# Altium PCB RockerBox_Rev04.PcbDoc (part 5 of 9)
Units mil, origin at the board's own origin, x right, y up, seen from the top; angles counter-clockwise.
Board outline 5354.33 x 8818.9 mil, 4 copper layers (L1, L2, L3, L4), stack 62.087 mil thick; 582 components, 159 nets, 3630 pads, 4701 vias.
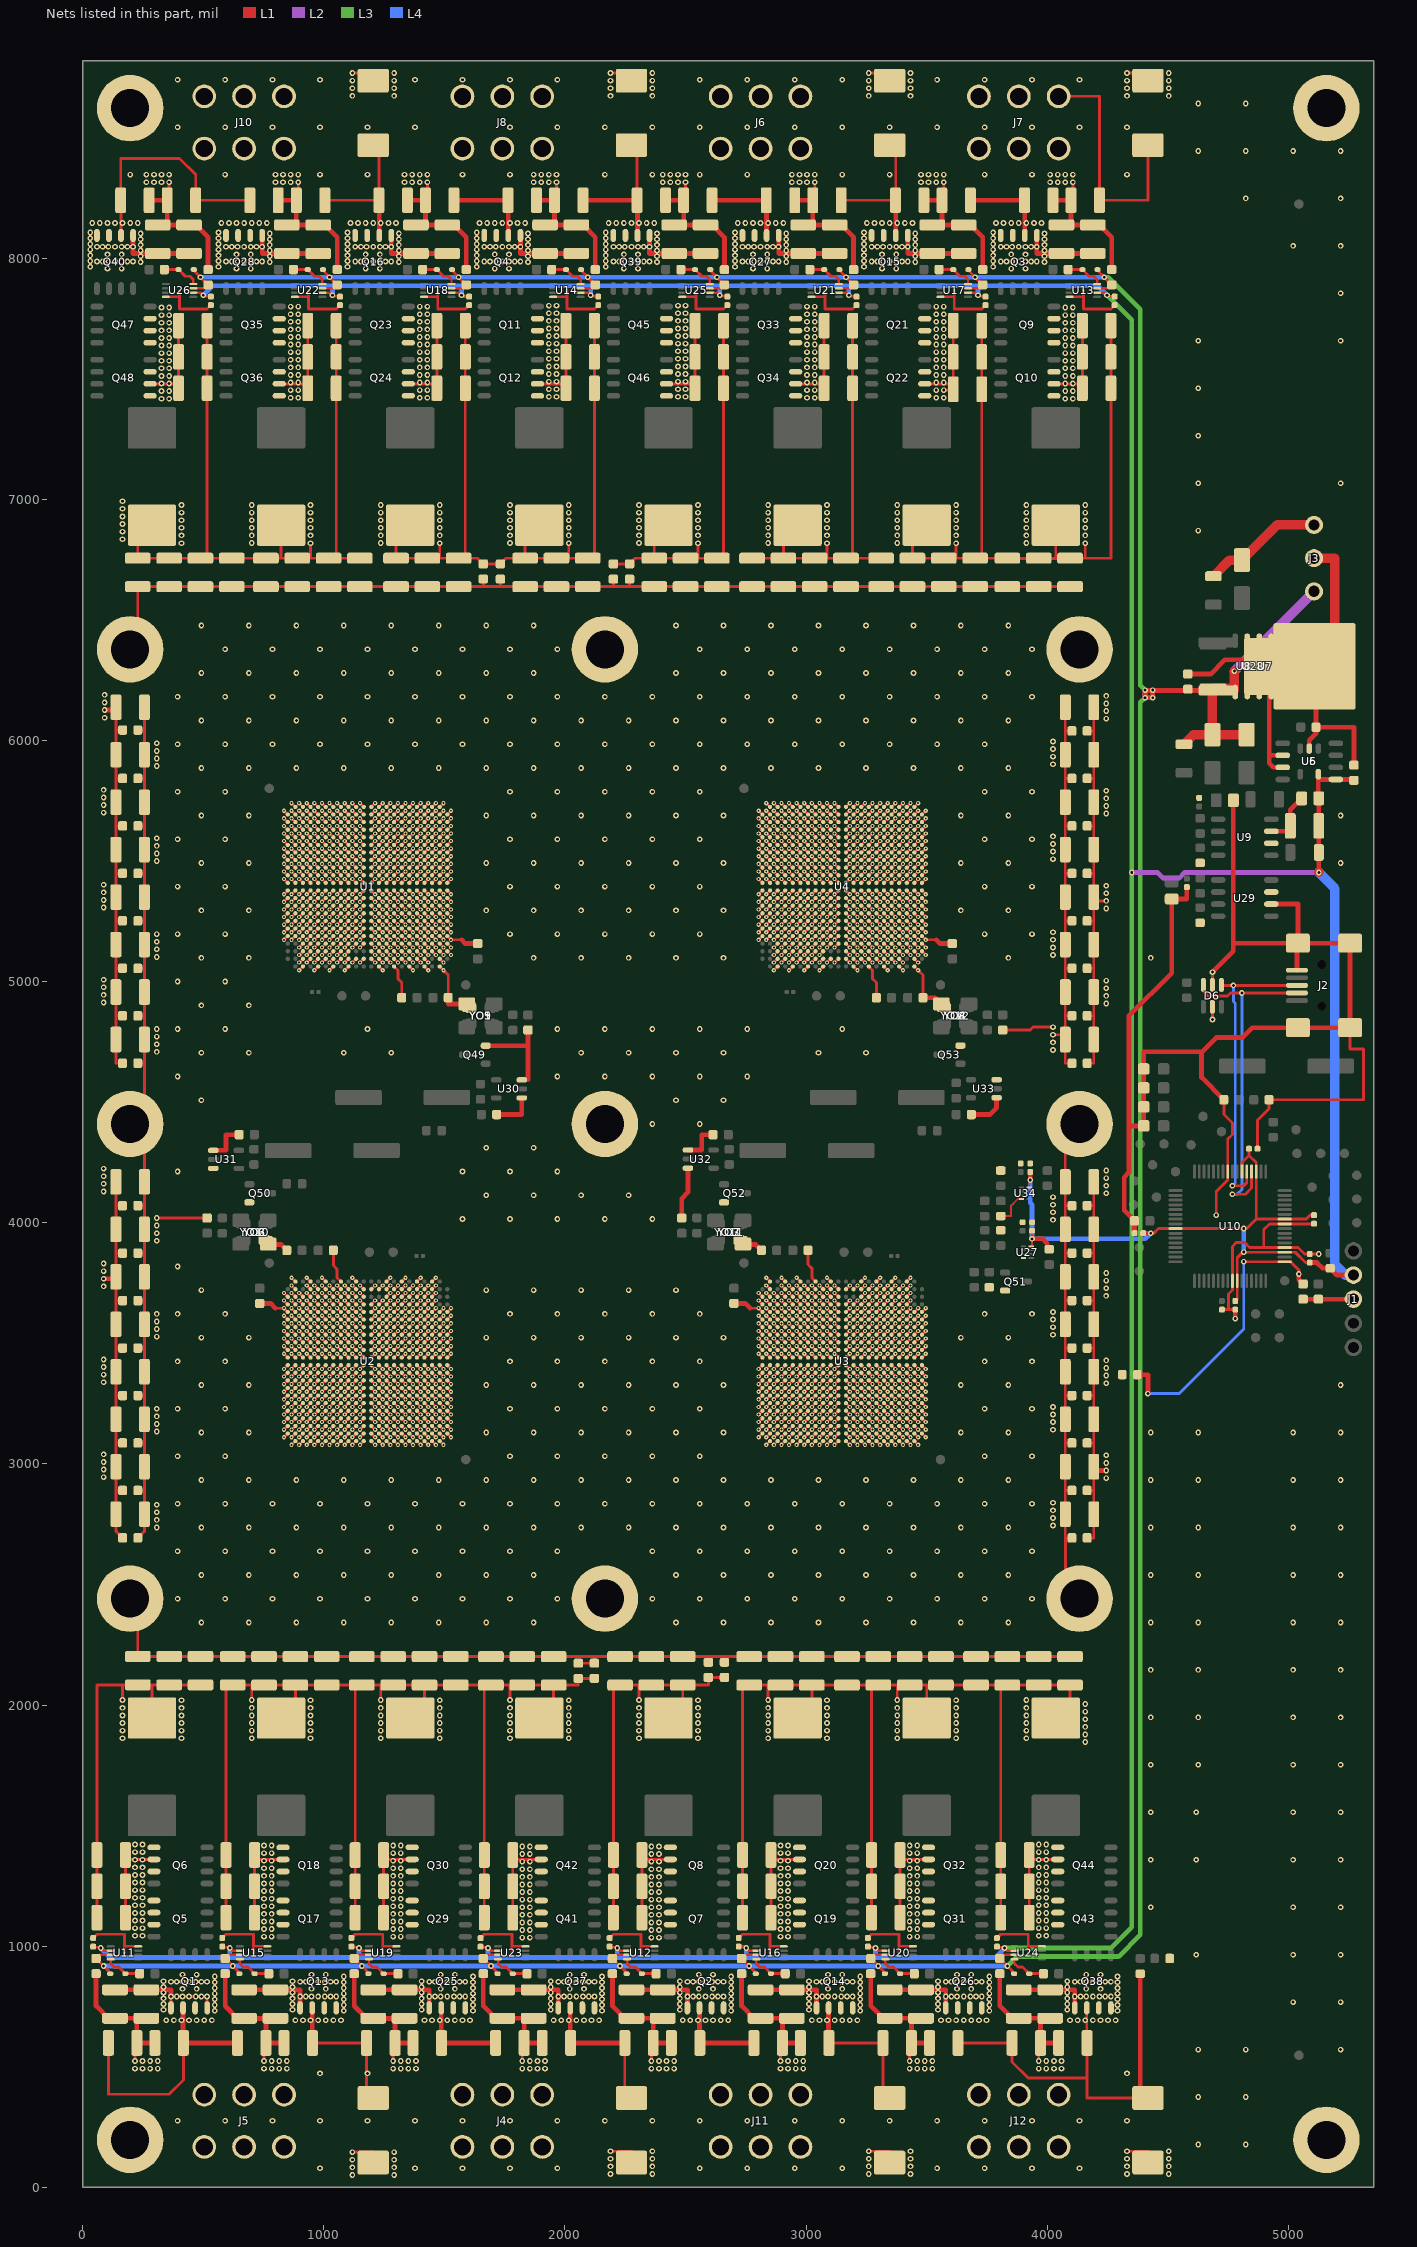
[diagram p7: the nets of this part, all layers, seen from the top]

## Via types
v1: diameter 23.62/23.62/23.62/23.62 (per signal layer), hole 11.81, L1 to L4, 2848 vias
v2: diameter 17.72/17.72/17.72/17.72 (per signal layer), hole 7.87, L1 to L4, 1853 vias

## Nets (pads, with @x,y where several pads share a name; then routed paths per layer and width w, separated by ;. In a path a pad name is that pad's centre, name@x,y a point inside that pad or via, vN(x,y) a via of type N, cw(c..) or ccw(c..) an arc to the next point about the centre after c; other vN are vias at no path point) (continued)
1V: (continued)
  L1 w19.68: v1(86.81,3767.72) C211.2@137.8,3767.72 ; v1(90.75,6125.98) C157.2@137.8,6125.98 ; C201.2@4192.91,2972.44 v1(4244.29,2972.44)
  other v1: 4157.48,1846.46 165.35,1862.2 409.45,1862.2 700.79,1862.2 944.88,1862.2 1236.22,1862.2 1480.31,1862.2 1771.65,1862.2 2015.75,1862.2 2307.09,1862.2 2551.18,1862.2 2842.52,1862.2 3086.61,1862.2 3377.95,1862.2 3622.05,1862.2 3913.39,1862.2 4157.48,1877.95 165.35,1893.7 409.45,1893.7 700.79,1893.7 944.88,1893.7 1236.22,1893.7 1480.31,1893.7 1771.65,1893.7 2015.75,1893.7 2307.09,1893.7 2551.18,1893.7 2842.52,1893.7 3086.61,1893.7 3377.95,1893.7 3622.05,1893.7 3913.39,1893.7 4157.48,1909.45 165.35,1925.2 409.45,1925.2 700.79,1925.2 944.88,1925.2 1236.22,1925.2 1480.31,1925.2 1771.65,1925.2 2015.75,1925.2 2307.09,1925.2 2551.18,1925.2 2842.52,1925.2 3086.61,1925.2 3377.95,1925.2 3622.05,1925.2 3913.39,1925.2 4157.48,1940.94 165.35,1956.69 409.45,1956.69 700.79,1956.69 944.88,1956.69 1236.22,1956.69 1480.31,1956.69 1771.65,1956.69 2015.75,1956.69 2307.09,1956.69 2551.18,1956.69 2842.52,1956.69 3086.61,1956.69 3377.95,1956.69 3622.05,1956.69 3913.39,1956.69 4157.48,1972.44 165.35,1988.19 409.45,1988.19 700.79,1988.19 944.88,1988.19 1236.22,1988.19 1480.31,1988.19 1771.65,1988.19 2015.75,1988.19 2307.09,1988.19 2551.18,1988.19 2842.52,1988.19 3086.61,1988.19 3377.95,1988.19 3622.05,1988.19 3913.39,1988.19 4157.48,2003.94 409.45,2019.68 944.88,2019.68 1480.31,2019.68 2015.75,2019.68 2551.18,2019.68 3086.61,2019.68 3622.05,2019.68 3913.39,2020.67 4244.29,2940.94 86.81,2944.88 86.81,2976.38 4244.29,3003.94 86.81,3007.87 4244.29,3035.43 86.81,3039.37 4244.29,3334.65 86.81,3338.58 4244.29,3366.14 86.81,3370.08 4244.29,3397.64 86.81,3401.57 4244.29,3429.13 86.81,3433.07 4244.09,3696.85 4244.29,3728.35 86.81,3736.22 4244.29,3759.84 4244.29,3791.34 86.81,3799.21 86.81,3830.71 4244.29,4122.05 86.81,4129.92 4244.29,4153.54 86.81,4161.42 4244.29,4185.04 86.81,4192.91 4244.29,4216.54 86.81,4224.41 4244.29,4909.45 86.81,4913.39 4244.29,4940.94 86.81,4944.88 4244.29,4972.44 86.81,4976.38 4244.29,5003.94 86.81,5007.87 4244.29,5303.15 86.81,5307.09 86.81,5338.58 4244.29,5366.14 86.81,5370.08 4244.29,5397.64 86.81,5401.57 4244.29,5696.85 86.81,5700.79 4244.29,5728.35 86.81,5732.28 4244.29,5759.84 86.81,5763.78 4244.29,5791.34 86.81,5795.28 4244.29,6090.55 90.75,6094.49 4244.29,6122.05 4244.29,6153.54 90.75,6157.48 4244.29,6185.04 90.75,6188.98 409.45,6817.91 700.79,6818.9 1236.22,6818.9 1771.65,6818.9 2307.09,6818.9 2842.52,6818.9 3377.95,6818.9 3913.39,6818.9 165.35,6834.65 409.45,6850.39 700.79,6850.39 944.88,6850.39 1236.22,6850.39 1480.31,6850.39 1771.65,6850.39 2015.75,6850.39 2307.09,6850.39 2551.18,6850.39 2842.52,6850.39 3086.61,6850.39 3377.95,6850.39 3622.05,6850.39 3913.39,6850.39 4157.48,6850.39 165.35,6866.14 409.45,6881.89 700.79,6881.89 944.88,6881.89 1236.22,6881.89 1480.31,6881.89 1771.65,6881.89 2015.75,6881.89 2307.09,6881.89 2551.18,6881.89 2842.52,6881.89 3086.61,6881.89 3377.95,6881.89 3622.05,6881.89 3913.39,6881.89 4157.48,6881.89 165.35,6897.64 409.45,6913.39 700.79,6913.39 944.88,6913.39 1236.22,6913.39 1480.31,6913.39 1771.65,6913.39 2015.75,6913.39 2307.09,6913.39 2551.18,6913.39 2842.52,6913.39 3086.61,6913.39 3377.95,6913.39 3622.05,6913.39 3913.39,6913.39 4157.48,6913.39 165.35,6929.13 409.45,6944.88 700.79,6944.88 944.88,6944.88 1236.22,6944.88 1480.31,6944.88 1771.65,6944.88 2015.75,6944.88 2307.09,6944.88 2551.18,6944.88 2842.52,6944.88 3086.61,6944.88 3377.95,6944.88 3622.05,6944.88 3913.39,6944.88 4157.48,6944.88 165.35,6960.63 409.45,6976.38 700.79,6976.38 944.88,6976.38 1236.22,6976.38 1480.31,6976.38 1771.65,6976.38 2015.75,6976.38 2307.09,6976.38 2551.18,6976.38 2842.52,6976.38 3086.61,6976.38 3377.95,6976.38 3622.05,6976.38 3913.39,6976.38 4157.48,6976.38 165.35,6992.13
3.3V: C4.1 C6.1 C7.1 C8.1 C9.1 C13.2 C14.1 C24.1 C25.1 C26.1 C27.1 C56.1 C57.1 C58.1 C59.1 C88.1 C89.1 C90.1 C91.1 C120.1 C121.1 C122.1 C123.1 C168.2 C251.2 C347.1 J1.2 R9.2 R14.2 R18.1 U5.5 U6.1 U10.10 U10.19 U10.26 U10.35 U10.38 U10.57 U11.6 U12.6 U13.6 U14.6 U15.6 U16.6 U17.6 U18.6 U19.6 U20.6 U21.6 U22.6 U23.6 U24.6 U25.6 U26.6 U27.8 U34.8 | length 25144.1
  L1 w7.87: U34.8@3925.2,4145.67 3925.2,4177.17 v1(3929.13,4177.17) ; U27.8@3933.27,3901.57 3937.2,3901.57 3937.2,3933.27 3937.2,3937.01 C168.2@3937.2,3966.54
  L1 w9.84: C24.1@43.31,998.03 45.28,996.06 71.85,996.06 75.3,992.62 78.74,989.17 v1(74.8,992.13) 79.23,988.68 86.61,981.3 U11.6@116.14,981.3 ; U26.6@458.66,7857.28 488.19,7857.28 495.57,7849.9 v1(500,7846.46) 496.06,7849.41 499.51,7845.96 502.95,7842.52 529.53,7842.52 C123.1@531.5,7840.55 ; C56.1@578.74,998.03 580.71,996.06 607.28,996.06 614.17,989.17 v1(610.24,992.13) 614.67,988.68 622.05,981.3 U15.6@651.57,981.3 ; U22.6@994.09,7857.28 1023.62,7857.28 1031,7849.9 v1(1035.43,7846.46) 1031.5,7849.41 1038.39,7842.52 1064.96,7842.52 C91.1@1066.93,7840.55 ; C88.1@1114.17,998.03 1116.14,996.06 1142.72,996.06 1149.61,989.17 v1(1145.67,992.13) 1150.1,988.68 1157.48,981.3 U19.6@1187.01,981.3 ; U18.6@1529.53,7857.28 1559.06,7857.28 v1@1569.88,7846.46 ; C120.1@1649.61,998.03 1651.57,996.06 1678.15,996.06 1685.04,989.17 v1(1681.1,992.13) 1685.53,988.68 1692.91,981.3 U23.6@1722.44,981.3 ; U14.6@2064.96,7857.28 2094.49,7857.28 2101.87,7849.9 v1(2106.3,7846.46) 2102.36,7849.41 2105.81,7845.96 2109.25,7842.52 2135.83,7842.52 C27.1@2137.8,7840.55 ; C25.1@2185.04,998.03 2187.01,996.06 2213.58,996.06 2217.03,992.62 2220.47,989.17 v1(2216.54,992.13) 2220.96,988.68 2228.35,981.3 U12.6@2257.87,981.3 ; U25.6@2600.39,7857.28 2629.92,7857.28 2637.3,7849.9 v1(2641.73,7846.46) 2637.8,7849.41 2641.24,7845.96 2644.68,7842.52 2671.26,7842.52 C122.1@2673.23,7840.55 ; v1@2752.95,992.13 2763.78,981.3 U16.6@2793.31,981.3 ; U21.6@3135.83,7857.28 3165.35,7857.28 3172.74,7849.9 v1(3177.17,7846.46) 3173.23,7849.41 3180.12,7842.52 3206.69,7842.52 C90.1@3208.66,7840.55 ; C89.1@3255.91,998.03 3257.87,996.06 3284.45,996.06 3291.34,989.17 v1(3287.4,992.13) 3291.83,988.68 3299.21,981.3 U20.6@3328.74,981.3 ; U17.6@3671.26,7857.28 3700.79,7857.28 3708.17,7849.9 v1(3712.6,7846.46) 3708.66,7849.41 3715.55,7842.52 3742.13,7842.52 C58.1@3744.09,7840.55 ; C121.1@3791.34,998.03 3793.31,996.06 3819.88,996.06 3823.33,992.62 3826.77,989.17 v1(3822.83,992.13) 3827.26,988.68 3834.65,981.3 U24.6@3864.17,981.3 ; U13.6@4206.69,7857.28 4236.22,7857.28 4243.6,7849.9 v1(4248.03,7846.46) 4244.09,7849.41 4247.54,7845.96 4250.98,7842.52 4277.56,7842.52 C26.1@4279.53,7840.55
  L1 w11.81: v1(1570.87,7846.46) 1569.88,7846.46 1570.37,7845.96 1575.79,7840.55 C59.1@1602.36,7840.55 ; C57.1@2720.47,998.03 2747.05,998.03 2752.46,992.62 2752.95,992.13 v1(2751.97,992.13) ; v1(4429.13,3956.69) 4441.61,3956.69 4460.63,3975.71 U10.57@4531.79,3975.71 v1@4814.29,3975.71 ; C9.1@4779.53,3675.2 4785.43,3681.1 4787.7,3681.1 U10.10@4787.7,3759.18 4787.7,3854.63 4810.36,3877.29 4814.29,3877.29 v1(4814.96,3877.95) 4814.96,3877.29 U10.19@4984.55,3877.29 5028.23,3877.29 5070.87,3834.65 C6.1@5088.58,3834.65 ; U10.38@4807.38,4211.93 4807.38,4250.05 4836.61,4279.28 ; v1(4814.96,3976.38) v1@4814.29,3975.71 ; C4.1@4836.61,4307.09 4836.61,4279.28 ; C8.1@5106.3,4031.5 5090.55,4031.5 5074.14,4015.08 4866.44,4015.08 ; v1@4814.29,3975.71 4827.07,3975.71 4866.44,4015.08 ; 4836.61,4279.28 4866.44,4249.46 U10.35@4866.44,4211.93 4866.44,4015.08
  L1 w19.68: v1(3929.13,4177.17) 3929.33,4177.36 C251.2@3929.33,4210.63 ; v1@3937.2,3937.01 3937.01,3936.81 v1(3937.01,3933.07) 3937.2,3933.27 3980.31,3933.27 4000,3913.58 4000,3897.83 R18.1@4008.07,3889.76 ; C7.1@4397.64,3956.69 v1(4429.13,3956.69) ; C6.1@5088.58,3834.65 5118.11,3834.65 5141.73,3811.02 R9.2@5173.23,3811.02 5201.18,3783.07 J1.2@5269.68,3783.07 ; U5.5@5124.02,5860.24 5124.02,5838.39 ; v1@5125.98,5452.95 R14.2@5125.98,5535.43 C13.2@5125.98,5645.67 C14.1@5125.98,5759.84 5124.02,5761.81 5124.02,5838.39 ; C347.1@5271.65,5834.65 5267.91,5838.39 U6.1@5196.85,5838.39 5124.02,5838.39
  L1 w39.37: v1@5125.98,5452.95 v1(5126.18,5452.76)
  L2 w19.68: v1(4350.39,5452.76) 4456.69,5452.76 4480.31,5429.13 4547.24,5429.13 4570.87,5452.76 v1(5126.18,5452.76)
  L3 w19.68: v1(3822.83,992.13) 4263.98,992.13 4350.59,1078.74 4350.59,7743.9 4350.39,7744.09 ; v1(4248.03,7846.46) 4350.39,7744.09 ; v1(4350.39,5452.76) 4350.39,7744.09
  L4 w19.68: v1(74.8,992.13) 114.17,952.76 610.24,952.76 ; v1(500,7846.46) 539.37,7885.83 1035.43,7885.83 ; v1(610.24,992.13) 610.24,952.76 ; v1(1035.43,7846.46) 1035.43,7885.83 ; v1(1145.67,992.13) 1145.67,952.76 ; v1(1570.87,7846.46) 1570.87,7885.83 ; v1(1681.1,992.13) 1681.1,952.76 ; v1(2106.3,7846.46) 2106.3,7885.83 ; v1(2216.54,992.13) 2216.54,952.76 ; v1(2641.73,7846.46) 2641.73,7885.83 ; v1(2751.97,992.13) 2751.97,952.76 ; v1(3177.17,7846.46) 3177.17,7885.83 ; v1(3287.4,992.13) 3287.4,952.76 ; v1(3712.6,7846.46) 3712.6,7885.83 ; v1(3822.83,992.13) 3783.46,952.76 3287.4,952.76 ; v1(3929.13,4177.17) 3929.13,4082.68 3937.01,4074.8 v1(3937.01,3933.07) 4405.51,3933.07 v1(4429.13,3956.69) ; v1(4248.03,7846.46) 4208.66,7885.83 3712.6,7885.83 ; v1(4814.96,3877.95) v1(4814.96,3976.38) ; 610.24,952.76 1145.67,952.76 ; 1035.43,7885.83 1570.87,7885.83 ; 1145.67,952.76 1681.1,952.76 ; 1570.87,7885.83 2106.3,7885.83 ; 1681.1,952.76 2216.54,952.76 ; 2106.3,7885.83 2641.73,7885.83 ; 2216.54,952.76 2751.97,952.76 ; 2641.73,7885.83 3177.17,7885.83 ; 2751.97,952.76 3287.4,952.76 ; 3177.17,7885.83 3712.6,7885.83
  L4 w39.37: v1(5126.18,5452.76) 5192.72,5385.83 5192.72,3826.77 5236.42,3783.07 J1.2@5269.68,3783.07
5.0V: C12.1 C20.2 C21.2 C22.2 C23.2 C52.2 C53.2 C54.2 C55.2 C84.2 C85.2 C86.2 C87.2 C116.2 C117.2 C118.2 C119.2 D5.2 D7.1 D10.2 D11.2 D12.2 D13.2 D14.2 D15.2 D16.2 D17.2 D18.2 D19.2 D20.2 D21.2 D22.2 D23.2 D24.2 D25.2 J3.1 R12.1 U7.3 U8.3 U11.7 U12.7 U13.7 U14.7 U15.7 U16.7 U17.7 U18.7 U19.7 U20.7 U21.7 U22.7 U23.7 U24.7 U25.7 U26.7 U28.1 | length 19239
  L1 w9.84: C20.2@55.12,948.82 56.1,948.82 70.87,963.58 U11.7@116.14,963.58 ; U26.7@458.66,7875 503.94,7875 518.7,7889.76 C119.2@519.68,7889.76 ; C52.2@590.55,948.82 591.54,948.82 606.3,963.58 U15.7@651.57,963.58 ; U22.7@994.09,7875 1039.37,7875 1054.13,7889.76 C87.2@1055.12,7889.76 ; C84.2@1125.98,948.82 1126.97,948.82 1141.73,963.58 U19.7@1187.01,963.58 ; U18.7@1529.53,7875 1574.8,7875 1589.57,7889.76 C55.2@1590.55,7889.76 ; C116.2@1661.42,948.82 1662.4,948.82 1677.17,963.58 U23.7@1722.44,963.58 ; U14.7@2064.96,7875 2110.24,7875 2125,7889.76 C23.2@2125.98,7889.76 ; C21.2@2196.85,948.82 2197.83,948.82 2212.6,963.58 U12.7@2257.87,963.58 ; U25.7@2600.39,7875 2645.67,7875 2660.43,7889.76 C118.2@2661.42,7889.76 ; C53.2@2732.28,948.82 2733.27,948.82 2748.03,963.58 U16.7@2793.31,963.58 ; U21.7@3135.83,7875 3181.1,7875 3195.87,7889.76 C86.2@3196.85,7889.76 ; C85.2@3267.72,948.82 3268.7,948.82 3283.46,963.58 U20.7@3328.74,963.58 ; U17.7@3671.26,7875 3716.54,7875 3731.3,7889.76 C54.2@3732.28,7889.76 ; C117.2@3803.15,948.82 3804.13,948.82 3818.9,963.58 U24.7@3864.17,963.58 ; U13.7@4206.69,7875 4251.97,7875 4266.73,7889.76 C22.2@4267.72,7889.76
  L1 w11.81: C20.2@55.12,948.82 v1(86.61,917.32) 114.17,889.76 D10.2@114.17,885.83 ; D25.2@460.63,7952.76 460.63,7948.82 v1(488.19,7921.26) C119.2@519.68,7889.76 ; C52.2@590.55,948.82 v1(622.05,917.32) 649.61,889.76 D14.2@649.61,885.83 ; D21.2@996.06,7952.76 996.06,7948.82 v1(1023.62,7921.26) C87.2@1055.12,7889.76 ; C84.2@1125.98,948.82 v1(1157.48,917.32) 1185.04,889.76 D18.2@1185.04,885.83 ; D17.2@1531.5,7952.76 1531.5,7948.82 v1(1559.06,7921.26) C55.2@1590.55,7889.76 ; C116.2@1661.42,948.82 v1(1692.91,917.32) 1720.47,889.76 D22.2@1720.47,885.83 ; D13.2@2066.93,7952.76 2066.93,7948.82 v1(2094.49,7921.26) C23.2@2125.98,7889.76 ; C21.2@2196.85,948.82 v1(2228.35,917.32) 2255.91,889.76 D11.2@2255.91,885.83 ; D24.2@2602.36,7952.76 2602.36,7948.82 v1(2629.92,7921.26) C118.2@2661.42,7889.76 ; C53.2@2732.28,948.82 v1(2763.78,917.32) 2791.34,889.76 D15.2@2791.34,885.83 ; D20.2@3137.8,7952.76 3137.8,7948.82 v1(3165.35,7921.26) C86.2@3196.85,7889.76 ; C85.2@3267.72,948.82 v1(3299.21,917.32) 3326.77,889.76 D19.2@3326.77,885.83 ; D16.2@3673.23,7952.76 3673.23,7948.82 v1(3700.79,7921.26) C54.2@3732.28,7889.76 ; C117.2@3803.15,948.82 v1(3834.65,917.32) 3862.2,889.76 D23.2@3862.2,885.83 ; D12.2@4208.66,7952.76 4208.66,7948.82 v1(4236.22,7921.26) C22.2@4267.72,7889.76 ; C12.1@4582.87,6207.09 C12.1@4582.87,6212.6 ; U7.3@4685.04,6200.79 4700.79,6200.79 U28.1@4779.33,6200.79 ; U7.3@4688.98,6216.93 4688.98,6207.09 U7.3@4700.79,6207.09
  L1 w19.68: v1(4405.71,6208.66) v1@4405.71,6207.09 ; v1(4437.2,6208.66) v1@4437.2,6207.09 ; U7.3@4688.98,6207.09 4685.04,6207.09 4582.87,6207.09 v1@4437.2,6207.09 ; v1@4405.71,6207.09 v1@4437.2,6207.09 ; v1@4405.71,6207.09 v1(4405.71,6177.17) v1(4437.2,6177.17) v1@4437.2,6207.09
  L1 w39.37: R12.1@4566.93,5984.25 4606.3,6023.62 D5.2@4685.04,6023.62 ; v1(4775.79,6287.4) 4775.79,6208.66 4767.52,6216.93 4688.98,6216.93 U8.3@4687.01,6216.93 4685.04,6214.96 4685.04,6207.09 4685.04,6200.79 D5.2@4685.04,6023.62 ; D7.1@4826.77,6023.62 D5.2@4685.04,6023.62
  L2 w39.37: v1(4775.79,6287.4) 5106.3,6617.91 J3.1@5106.3,6618.11
  L3 w19.68: v1(3834.65,917.32) 3874.02,956.69 4295.47,956.69 4386.02,1047.24 4386.02,6157.48 v1(4405.71,6177.17) ; v1(4236.22,7921.26) 4252.17,7921.26 4386.02,7787.4 4386.02,6228.35 v1(4405.71,6208.66) ; v1(4405.71,6177.17) v1(4405.71,6208.66) ; v1(4405.71,6177.17) v1(4437.2,6177.17) v1(4437.2,6208.66) v1(4405.71,6208.66)
  L4 w19.68: v1(86.61,917.32) v1(622.05,917.32) v1(1157.48,917.32) v1(1692.91,917.32) v1(2228.35,917.32) v1(2763.78,917.32) v1(3299.21,917.32) v1(3834.65,917.32) ; v1(488.19,7921.26) v1(1023.62,7921.26) v1(1559.06,7921.26) v1(2094.49,7921.26) v1(2629.92,7921.26) v1(3165.35,7921.26) v1(3700.79,7921.26) v1(4236.22,7921.26)
12V: C32.2 C33.2 C37.2 C38.2 C42.2 C43.2 C47.2 C48.2 C64.2 C65.2 C69.2 C70.2 C74.2 C75.2 C79.2 C80.2 C96.2 C97.2 C101.2 C102.2 C106.2 C107.2 C111.2 C112.2 C128.2 C129.2 C133.2 C134.2 C138.2 C139.2 C143.2 C144.2 C348.2 C349.2 C353.2 C354.2 C358.2 C359.2 C363.2 C364.2 C368.2 C369.2 C373.2 C374.2 C378.2 C379.2 C383.2 C384.2 C391.2 C392.2 C402.2 C403.2 C404.2 C405.2 C406.2 C407.2 C420.2 C421.2 C422.2 C423.2 C424.2 C425.2 C426.2 C427.2 D8.2 D9.1 D26.1 D27.1 D28.1 D29.1 D30.1 D31.1 D32.1 J3.3 J4.1 J4.2 J4.3 J5.1 J5.2 J5.3 J6.1 J6.2 J6.3 J7.1 J7.2 J7.3 J8.1 J8.2 J8.3 J10.1 J10.2 J10.3 J11.1 J11.2 J11.3 J12.1 J12.2 J12.3 Q1.5 Q1.6 Q1.7 Q1.8 Q2.5 Q2.6 Q2.7 Q2.8 Q3.5 Q3.6 Q3.7 Q3.8 Q4.5 Q4.6 Q4.7 Q4.8 Q13.5 Q13.6 Q13.7 Q13.8 Q14.5 Q14.6 Q14.7 Q14.8 Q15.5 Q15.6 Q15.7 Q15.8 Q16.5 Q16.6 Q16.7 Q16.8 Q25.5 Q25.6 Q25.7 Q25.8 Q26.5 Q26.6 Q26.7 Q26.8 Q27.5 Q27.6 Q27.7 Q27.8 Q28.5 Q28.6 Q28.7 Q28.8 Q37.5 Q37.6 Q37.7 Q37.8 Q38.5 Q38.6 Q38.7 Q38.8 Q39.5 Q39.6 Q39.7 Q39.8 Q40.5 Q40.6 Q40.7 Q40.8 R4.1 R13.2 | length 16106.9
  L1 w11.81: C420.2@106.3,598.43 106.3,385.83 358.27,385.83 417.32,444.88 C33.2@417.32,598.43 ; Q40.6@158.86,8094.49 158.86,8244.09 C144.2@157.48,8240.16 157.48,8413.39 401.57,8413.39 468.5,8346.46 C368.2@468.5,8240.16 C112.2@692.91,8240.16 ; Q1.5@365.96,744.09 365.96,791.34 v1(366.14,791.34) v1(389.76,791.34) v1(413.39,791.34) v1(440.94,791.34) v1(468.5,791.34) v1(492.13,791.34) v1(515.75,791.34) 515.94,791.34 Q1.8@515.94,744.09 ; C65.2@951.38,599.8 951.38,598.43 C65.2@952.76,598.43 C424.2@1177.17,598.43 1177.17,370.08 D28.1@1204.72,370.08 ; C363.2@1003.94,8240.16 C80.2@1228.35,8240.16 ; D29.1@1204.72,8468.5 1228.35,8468.5 C80.2@1228.35,8240.16 ; C80.2@1229.72,8238.78 C80.2@1228.35,8240.16 ; C97.2@1486.81,599.8 C97.2@1488.19,598.43 ; C48.2@1763.78,8240.16 C48.2@1765.16,8238.78 ; C129.2@2022.24,599.8 C129.2@2023.62,598.43 ; C348.2@2248.03,598.43 2248.03,370.08 D26.1@2275.59,370.08 ; D31.1@2275.59,8468.5 2299.21,8468.5 C139.2@2299.21,8240.16 C139.2@2300.59,8238.78 ; C38.2@2557.68,599.8 C38.2@2559.06,598.43 ; C107.2@2834.65,8240.16 C107.2@2836.02,8238.78 ; C70.2@3093.11,599.8 C70.2@3094.49,598.43 C404.2@3318.9,598.43 3318.9,370.08 D27.1@3346.46,370.08 ; C383.2@3145.67,8240.16 C75.2@3370.08,8240.16 C75.2@3371.46,8240.16 ; D30.1@3346.46,8468.5 3371.46,8468.5 C75.2@3371.46,8240.16 ; C75.2@3371.46,8238.78 C75.2@3371.46,8240.16 ; C102.2@3629.92,598.43 C406.2@3854.33,598.43 3854.33,519.68 3921.26,452.76 4165.35,452.76 ; J7.3@4047.24,8671.26 4216.54,8671.26 C373.2@4216.54,8240.16 4417.32,8240.16 D32.1@4417.32,8468.5 ; Q38.6@4163.98,744.09 4163.98,692.91 4163.98,594.49 C134.2@4165.35,598.43 4165.35,452.76 ; D9.1@4417.32,370.08 4385.83,370.08 4165.35,370.08 4165.35,452.76
  L1 w19.68: C32.2@133.86,818.9 C421.2@263.78,818.9 365.96,818.9 v1@365.96,791.34 ; Q40.5@208.84,8094.49 208.84,8019.69 C369.2@311.02,8019.69 C143.2@440.94,8019.69 ; Q1.6@415.94,744.09 415.94,599.8 C33.2@417.32,598.43 C422.2@641.73,598.43 ; C64.2@669.29,818.9 C423.2@799.21,818.9 901.39,818.9 Q13.5@901.39,744.09 ; Q28.5@744.27,8094.49 744.27,8019.69 C364.2@846.46,8019.69 C111.2@976.38,8019.69 ; C65.2@951.38,599.8 Q13.6@951.38,744.09 ; C96.2@1204.72,818.9 C425.2@1334.65,818.9 1436.83,818.9 Q25.5@1436.83,744.09 ; Q16.6@1229.72,8094.49 C80.2@1229.72,8238.78 ; Q16.5@1279.71,8094.49 1279.71,8019.69 C359.2@1381.89,8019.69 C79.2@1511.81,8019.69 ; C97.2@1486.81,599.8 Q25.6@1486.81,744.09 ; C97.2@1488.19,598.43 C426.2@1712.6,598.43 ; C358.2@1539.37,8240.16 C48.2@1763.78,8240.16 ; C128.2@1740.16,818.9 C427.2@1870.08,818.9 1972.26,818.9 Q37.5@1972.26,744.09 ; Q4.6@1765.16,8094.49 C48.2@1765.16,8238.78 ; Q4.5@1815.14,8094.49 1815.14,8019.69 C354.2@1917.32,8019.69 C47.2@2047.24,8019.69 ; C129.2@2022.24,599.8 Q37.6@2022.24,744.09 ; C129.2@2023.62,598.43 C348.2@2248.03,598.43 ; C353.2@2074.8,8240.16 C139.2@2299.21,8240.16 ; C37.2@2275.59,818.9 C349.2@2405.51,818.9 2507.69,818.9 Q2.5@2507.69,744.09 ; Q39.6@2300.59,8094.49 C139.2@2300.59,8238.78 ; Q39.5@2350.57,8094.49 2350.57,8019.69 C392.2@2452.76,8019.69 C138.2@2582.68,8019.69 ; C38.2@2557.68,599.8 Q2.6@2557.68,744.09 ; C38.2@2559.06,598.43 C402.2@2783.46,598.43 ; C391.2@2610.24,8240.16 C107.2@2834.65,8240.16 ; C69.2@2811.02,818.9 C403.2@2940.94,818.9 3043.13,818.9 Q14.5@3043.13,744.09 ; Q27.6@2836.02,8094.49 C107.2@2836.02,8238.78 ; Q27.5@2886.01,8094.49 2886.01,8019.69 C384.2@2988.19,8019.69 C106.2@3118.11,8019.69 ; C70.2@3093.11,599.8 Q14.6@3093.11,744.09 ; C101.2@3346.46,818.9 C405.2@3476.38,818.9 3578.56,818.9 Q26.5@3578.56,744.09 ; Q15.6@3371.46,8094.49 C75.2@3371.46,8238.78 ; Q15.5@3421.44,8094.49 3421.44,8019.69 C379.2@3523.62,8019.69 C74.2@3653.54,8019.69 ; C378.2@3681.1,8240.16 C43.2@3905.51,8240.16 3906.89,8238.78 Q3.6@3906.89,8094.49 ; C133.2@3881.89,818.9 C407.2@4011.81,818.9 4113.99,818.9 Q38.5@4113.99,744.09 ; Q3.5@3956.87,8094.49 3956.87,8019.69 C374.2@4059.06,8019.69 C42.2@4188.98,8019.69 ; D9.1@4385.83,370.08 R4.1@4385.83,885.83